# KiCad board LivSynth_Hardware.kicad_pcb (continued)
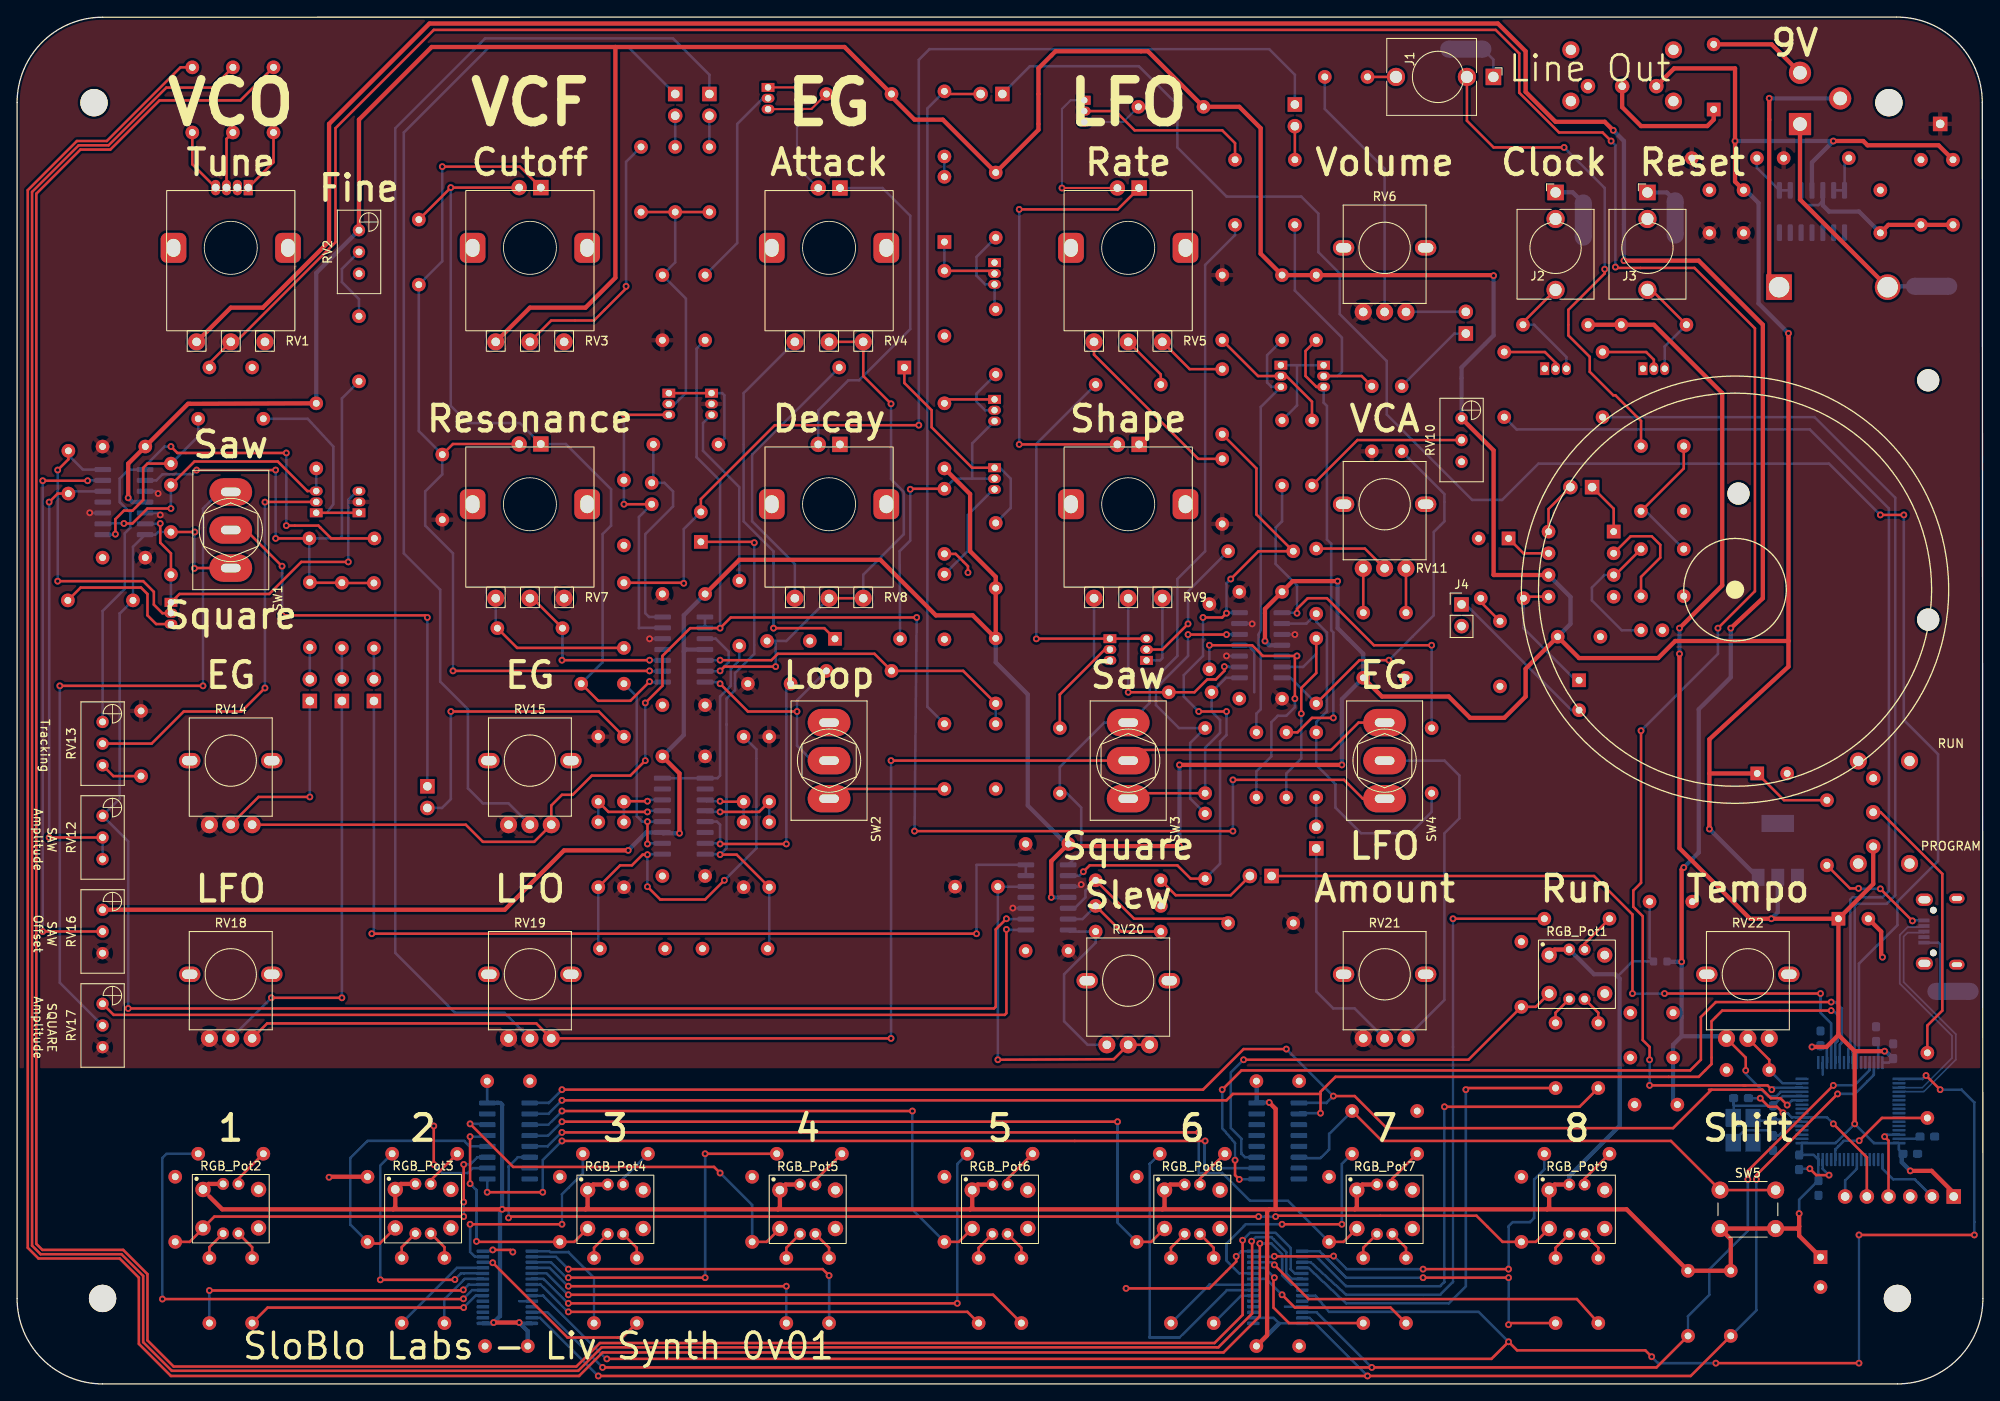
[diagram p0: board, top side]
## Routing (per net, layer and track width the routed paths; a pad name or vN(x,y) marks a point on that pad's centre or on a via; arc(x,y) is an arc through that point) (continued)
/IO/P2_R: length 8.3
  Bottom w0.3: R125.2 50,9.93 52.35,12.28 U12.9
/IO/P3_B: length 13.9
  Bottom w0.3: 60.22,15.53 62.27,15.53 62.37,15.43 64.5,15.43 67.5,12.43 R124.1
/IO/P3_G: length 25
  Top w0.3: v1(63.75,18.68) v1(53,18.68)
  Bottom w0.3: v1(53,18.68) 53,15.46 53.58,14.88 U12.13 ; v1(63.75,18.68) 63.75,22.18 66.19,24.62 R106.2
/IO/P3_R: length 22.3
  Top w0.3: R123.2 70.81,5.43 64.4,5.43 v1(55.65,14.18)
  Bottom w0.3: v1(55.65,14.18) 54.55,14.18 U12.12
/IO/P4_B: length 35
  Top w0.3: v1(64.5,11.43) v1(90,11.43)
  Bottom w0.3: 60.22,13.58 62.29,13.58 64.44,11.43 v1(64.5,11.43) ; v1(90,11.43) R122.1
/IO/P4_G: length 43.9
  Top w0.3: v1(80.5,12.43) v1(64.5,12.43) ; R102.2 v1(80.5,26.93)
  Bottom w0.3: v1(64.5,12.43) 64.25,12.43 62.45,14.23 60.22,14.23 ; v1(80.5,26.93) v1(80.5,12.43)
/IO/P4_R: length 41.2
  Top w0.3: v1(64.5,13.43) 94.25,13.43 v1(95,12.68)
  Bottom w0.3: v1(64.5,13.43) 63.05,14.88 60.22,14.88 ; R120.2 v1(95,12.68)
/IO/P5_B: length 54.1
  Top w0.3: R121.1 111.19,8.43 v1(64.5,8.43)
  Bottom w0.3: 60.22,11.63 61.24,11.63 64.44,8.43 v1(64.5,8.43)
/IO/P5_G: length 68.9
  Top w0.3: v1(64.5,9.43) v1(110,9.43)
  Bottom w0.3: v1(64.5,9.43) 64.44,9.43 61.59,12.28 60.22,12.28 ; v1(110,9.43) 110,25.74 R101.2
/IO/P5_R: length 59.7
  Top w0.3: v1(64.5,10.43) 114.19,10.43 R119.2
  Bottom w0.3: 60.22,12.93 61.94,12.93 64.44,10.43 v1(64.5,10.43)
/IO/P6_B: length 11.5
  Bottom w0.3: R118.1 139.51,11.63 U11.8
/IO/P6_G: length 36.4
  Bottom w0.3: R96.2 132.5,25.74 132.5,5.43 136,5.43 141.55,10.98 U11.7
/IO/P6_R: length 6
  Bottom w0.3: U11.6 143.21,10.33 R116.2
/IO/P7_B: length 17.7
  Top w0.3: v1(147.1,12.43) 147,12.33 147,8.93 148.81,7.12 R115.1
  Bottom w0.3: U11.11 145.95,13.58 v1(147.1,12.43)
/IO/P7_G: length 28.9
  Top w0.3: v1(155,18.68) v1(148,18.68)
  Bottom w0.3: v1(155,18.68) 155,25.74 R99.2 ; U11.10 143,12.93 141.5,14.43 141.5,16.43 143.75,18.68 v1(148,18.68)
/IO/P7_R: length 20
  Top w0.3: R117.2 160.69,8.93 149.5,8.93 v1(148,10.43)
  Bottom w0.3: v1(148,10.43) 146.15,12.28 U11.9
/IO/P8_B: length 36.6
  Top w0.3: v1(174.5,12.43) v1(164.5,12.43) ; R113.1 174.5,7.12 v1(174.5,6.93)
  Bottom w0.3: U11.15 152.4,15.53 155.5,12.43 v1(164.5,12.43) ; v1(174.5,6.93) v1(174.5,12.43)
/IO/P8_G: length 46.9
  Top w0.3: v1(164.5,13.43) v1(174.5,13.43) ; v1(154.03,14.96) 154,14.93 v1(147.1,14.93)
  Bottom w0.3: R95.2 178.69,25.12 177.5,23.93 177.5,19.43 177,18.93 175,18.93 174.5,18.43 v1(174.5,13.43) ; v1(164.5,13.43) 155.56,13.43 v1(154.03,14.96) ; v1(147.1,14.93) 147.05,14.88 U11.13
/IO/P8_R: length 43.4
  Top w0.3: R114.2 182.5,9.93 151.1,9.93 v1(147.1,13.93)
  Bottom w0.3: U11.12 146.8,14.23 v1(147.1,13.93)
/IO/P9_B: length 55.2
  Top w0.3: v1(169.5,34.43) 169.69,34.62 R80.1
  Bottom w0.3: U11.18 151.09,13.58 155.5,9.43 167.5,9.43 169.5,11.43 v1(169.5,34.43)
/IO/P9_G: length 72.9
  Top w0.3: v1(168,54.43) R79.2
  Bottom w0.3: U11.17 151.35,14.23 155.5,10.43 166.5,10.43 168,11.93 v1(168,54.43)
/IO/P9_R: length 57.7
  Top w0.3: v1(167,32.43) 182.81,32.43 R81.2
  Bottom w0.3: v1(167,32.43) 167,11.93 166.5,11.43 155.5,11.43 152.05,14.88 U11.16
/IO/RESET_OUT: length 108.4
  Bottom w0.3: R14.1 210.31,113.12 219.75,103.68 219.75,57.18 218.75,56.18 215.25,56.18 215,55.93 215,39.14 214.75,38.89 U9.25
/IO/SR_SHLDN: length 162.8
  Top w0.3: v1(154,33.68) 156.5,33.68 160.25,29.93 193.75,29.93 198.25,34.43 ; 197.95,34.43 204.2,34.43 205.2,33.43 206.3,33.43 v1(207.1,32.63) ; v1(63.75,34.43) 138.75,34.43 143.5,39.18 v1(148.5,39.18)
  Bottom w0.3: v1(63.75,34.43) 62.19,32.87 U13.1 ; U10.1 153.19,32.87 v1(154,33.68) v1(148.5,39.18) ; v1(207.1,32.63) 207.65,33.18 U9.11
/IO/SR_SPI_CLK: length 171.8
  Top w0.3: 152.5,33.93 142.25,33.93 141.5,33.18 v1(63.75,33.18) ; 152.5,33.93 v1(152.5,31.68) ; 152.5,33.93 152.5,34.18 154.25,35.93 196.75,35.93 198.25,37.43 198.25,42.43 199.5,43.68 v1(212.25,43.68)
  Bottom w0.3: U13.2 62.18,31.6 v1(63.75,33.18) ; v1(212.25,43.68) 212.5,43.68 213,43.18 213,40.13 212.75,39.89 U9.21 ; U10.2 150.05,31.68 v1(152.5,31.68)
/IO/SR_SPI_MISO: length 99.7
  Top w0.3: v1(143,23.93) 142.5,24.43 v1(142.5,26.18) ; v1(141,34.43) 143.25,36.68 195.75,36.68 197,37.93 197,42.93 198.75,44.68 v1(212.25,44.68)
  Bottom w0.3: v1(141,34.43) 141,29.93 142.5,28.18 v1(142.5,26.18) ; U9.22 213.25,39.68 213.5,39.93 213.5,43.93 212.75,44.68 v1(212.25,44.68) ; v1(143,23.93) 144.97,23.93 U10.9
/IO/VCA_IN: length 10.1
  Bottom w0.3: J10.1 168.16,122.9 R35.2
/LFO/LFO_SQA_OUT: length 87.3
  Bottom w0.3: R4.2 142.5,134.43 139,130.93 139,97.43 135.75,94.18 135.75,85.18 132.5,81.93 132.5,79.68 130.2,77.38 SW3.1 127.2,77.38 122,72.18 R68.2 122.81,69.12 124.5,67.43 124.5,62.26 U8.1
/LFO/LFO_TRI_OUT: length 26.2
  Top w0.3: SW3.3 130.64,69.12 R61.1
  Bottom w0.3: R61.1 139,74.43 140.75,76.18 140.75,77.68 139.75,78.68 C23.2 141.44,82.62 U3.8
/MCU/BOOT0: length 13.5
  Top w0.3: v1(215.53,28.46) 218.19,31.12 R93.2
  Bottom w0.3: U9.60 212.75,27.47 213.74,28.46 v1(215.53,28.46)
/MCU/DAC_OUT1: length 83.9
  Top w0.3: v1(192.75,45.68) v1(211,45.68) ; J17.1 184.5,59.43 189,54.93 v1(189,45.68)
  Bottom w0.3: v1(211,45.68) 211,43.43 212.25,42.18 U9.20 ; v1(192.75,45.68) v1(189,45.68)
/MCU/HSE_IN: length 9.4
  Bottom w0.3: Y1.1 200.8,28.38 202.1,29.68 204.81,29.68 C50.1 206.06,29.04 207.2,30.18 U9.5
/MCU/HSE_OUT: length 6
  Bottom w0.3: Y1.3 203.41,30.82 C48.1 205.56,30.93 206.95,30.93 207.2,30.68 U9.6
/MCU/NRST: length 21.3
  Top w0.3: J19.5 216.42,26.51 v1(212.5,30.43) ; v1(203.95,33.43) 204.95,32.43 205.9,32.43 v1(206.6,31.73)
  Bottom w0.3: v1(206.6,31.73) 207.2,31.63 207.65,31.18 U9.7 211.75,31.18 v1(212.5,30.43) ; v1(203.95,33.43) C45.1
/MCU/SW_BOOT0: length 32.7
  Top w0.3: SW7.2 218.04,66.89 225.25,59.68 225.25,43.68 223.5,41.93 R93.1
/MCU/SWD_CLK: length 8.2
  Bottom w0.3: J19.2 222.04,23.93 219.5,23.93 218.25,25.18 U9.49
/MCU/SWD_IO: length 9
  Top w0.3: v1(218.5,28.93) 218.96,28.47 J19.4
  Bottom w0.3: v1(218.5,28.93) 218.75,29.18 U9.46
/MCU/SWD_SWO: length 4.9
  Bottom w0.3: J19.6 213.88,23.81 215.25,25.18 U9.55
/MCU/USB_D+: length 27.8
  Bottom w0.2: U9.36 220.2,34.2 223.09,34.2 226.83,37.94 226.83,40.92 220.73,47.02 220.73,52.34 221.19,52.8 223.1,52.8 J16.3
/MCU/USB_D-: length 27.8
  Bottom w0.2: U9.35 220.2,34.65 222.91,34.65 226.38,38.13 226.38,40.73 220.27,46.84 220.27,52.52 221.21,53.45 222.98,53.45 J16.2
/MCU/VCAP_1: length 2.6
  Bottom w0.3: C32.1 217.75,39.82 U9.31
/MCU/VCAP_2: length 2.6
  Bottom w0.3: C43.1 222.39,28.68 U9.47
/ModMatrix/VCA_CV_OUT: length 27
  Bottom w0.3: RV21.2 156.5,43.93 154,43.93 152,45.93 J18.1
/ModMatrix/VCF_EG_OUT: length 127
  Bottom w0.3: J8.1 71.5,156.43 55.25,156.43 45.25,146.43 45.25,97.18 49.5,92.93 49.5,82.18 52.75,78.93 52.75,69.68 54.5,67.93 57.5,67.93 RV15.2
/ModMatrix/VCF_LFO_OUT: length 161.5
  Bottom w0.3: J9.1 81,153.18 76.75,157.43 54.75,157.43 44.25,146.93 44.25,50.43 51.25,43.43 57,43.43 RV19.2
/ModMatrix/VCO_EG_OUT: length 21.8
  Top w0.3: RV14.2 28.25,68.68 v1(34.25,68.68)
  Bottom w0.3: v1(34.25,68.68) J15.1
/ModMatrix/VCO_LFO_OUT: length 49.7
  Top w0.3: v1(29.75,45.18) v1(38,45.18)
  Bottom w0.3: v1(38,45.18) 38,79.93 ; RV18.2 v1(29.75,45.18)
/Power/BAT_N: length 26.5
  Top w0.5: J5.1 208.6,138.58 BT1.2
  Bottom w0.5: NT2.2 218.95,128.43 BT1.2
/Power/BAT_P: length 31
  Top w0.5: v1(205,150.43) 205,129.48 BT1.1
  Bottom w0.5: 213.4,150.41 205.01,150.41 v1(205,150.43)
/Slew/V/OCT_OUT: length 113.1
  Top w0.3: v1(112.25,52.68) v1(41.5,52.68)
  Bottom w0.3: J12.1 41.75,52.93 v1(41.5,52.68) ; 112.25,60.74 U8.14 U8.13 ; v1(112.25,52.68) 112.25,60.68
/VCA/VCA_IN: length 138.8
  Top w0.3: v1(78,93.68) 77.94,93.74 R47.1 ; v1(105.5,112.18) 88.65,112.18 80,103.53 C11.2
  Bottom w0.3: v1(105.5,112.18) 105.5,154.93 106.75,156.18 146.5,156.18 149.5,153.18 J6.1 ; v1(78,93.68) 78,100.03 C11.2
/VCF/VCF_IN: length 50.4
  Top w0.3: v1(31,95.68) 26.77,99.91 SW1.2 ; v1(48,89.68) 47.75,89.93 v1(31,89.93)
  Bottom w0.3: v1(48,89.68) J14.1 ; v1(31,95.68) v1(31,89.93)
/VCO/SAW_OUT: length 187.9
  Top w0.3: v1(20.78,99.68) C14.2 ; v1(115.75,54.43) 114.5,53.18 114.5,44.13 114.3,43.93 v1(13,43.93) ; SW1.1 20.78,95.46 v1(20.75,95.43)
  Bottom w0.3: v1(13,43.93) 13,63.48 RV12.1 12,68.48 12,90.18 12.06,90.18 R54.2 13.56,97.95 U4.7 16.19,99.37 16.5,99.68 C14.2 ; U8.9 115.79,54.39 v1(115.75,54.43) ; v1(20.78,99.68) 20.75,99.64 v1(20.75,95.43)
/VCO/SQUARE_OUT: length 83.4
  Top w0.3: v1(21.75,81.68) v1(5,81.68)
  Bottom w0.3: v1(21.75,81.68) 21.75,102.43 23.69,104.36 SW1.3 ; RV17.2 5,46.94 v1(5,81.68)
VGND: length 14.3
  Bottom w0.3: U4.5 16.52,101.91 v1(16.75,101.68) ; U3.10 141.52,85.16 v1(141.5,85.18) ; v1(149.5,87.68) 149.48,87.7 U3.3 ; U6.12 74.02,87.2 v1(74,87.18) ; v1(116.5,55.68) 116.52,55.66 U8.10 ; v1(8.5,101.93) 8.52,101.91 U4.10 ; U4.3 16.23,104.45 v1(16.5,104.18) ; v1(124.5,58.43) 124.27,58.2 U8.3 ; v1(144.5,88.93) 144.46,88.97 U3.13
Net-(C13-Pad1): length 24.1
  Top w0.5: R12.2 R11.1 218.94,135.62 C1.1
  Bottom w0.3: U1.3 208.73,138.45 209.25,137.93 210.75,137.93 211.27,138.45 U1.5
  Bottom w0.5: U1.5 211.27,137.91 212,137.18 215.5,137.18 C1.1
Net-(C31-Pad1): length 42
  Top w0.3: v1(114.75,37.93) 128.32,38 RV20.2 RV20.3
  Bottom w0.3: U8.12 118,58.18 C40.1 v1(114.75,37.93)
Net-(C32-Pad1): length 68.8
  Top w0.3: v1(102.25,114.68) 99,117.93 RV4.3 RV4.2 ; v1(82.25,83.43) 82.75,83.93 v1(88.75,83.93) ; RV8.3 RV8.2
  Bottom w0.3: 88.75,86.93 90,86.93 RV8.2 ; 88.75,86.93 C26.1 ; 88.75,86.93 v1(88.75,83.93) ; RV8.3 99,94.68 103.75,99.43 103.75,104.37 102.25,105.87 v1(102.25,114.68) ; U6.3 81.73,87.2 83.25,85.68 83.25,84.43 v1(82.25,83.43) 82.21,83.39 U6.6
Net-(C33-Pad1): length 25.6
  Top w0.3: v1(141.25,83.93) 141.25,83.43 140.25,82.43 139.25,82.43 137.75,80.93 v1(130,80.93)
  Bottom w0.3: v1(130,80.93) RV9.2 ; v1(141.25,83.93) 141.75,83.93 141.79,83.89 U3.9
Net-(C34-Pad1): length 54.8
  Top w0.3: v1(3.75,103.18) 4.75,104.18 C17.1 ; RV12.2 3.76,63.94 v1(3.75,63.93)
  Bottom w0.3: C17.1 6.25,104.43 10,104.43 U4.12 ; RV12.3 RV12.2 ; v1(3.75,103.18) v1(3.75,63.93)
Net-(C34-Pad2): length 36.7
  Top w0.3: v1(4.75,93.93) 14.75,93.93 16,92.68 16,91.18 17,90.18 Q14.2 ; v1(4.75,106.93) 6,108.18 C17.2
  Bottom w0.3: C17.2 6,108.68 7.69,106.99 U4.14 ; v1(4.75,93.93) v1(4.75,106.93)
Net-(C35-Pad1): length 43.2
  Top w0.3: C14.1 18,97.18 16.75,98.43 v1(16.75,100.68) ; Q14.1 18.02,91.45 19,92.43 29.5,92.43 33.25,96.18 v1(38.75,96.18)
  Bottom w0.3: C14.1 Q14.1 ; v1(16.75,100.68) 16.71,100.64 U4.6 ; v1(38.75,96.18) 38.75,103.44 39.78,104.47 Q12.3
Net-(C36-Pad1): length 33.7
  Top w0.3: Q13.3 33.96,104.47 30.5,107.93 20.75,107.93 C16.1 ; v1(12.5,100.68) 13.5,100.68 15.25,102.43 v1(18,102.43)
  Bottom w0.3: v1(12.5,100.68) 10.06,100.68 U4.9 ; C16.1 v1(18,102.43) ; R53.2 Q13.3
Net-(C36-Pad2): length 21.2
  Top w0.3: C16.2 15.25,107.68 14.75,107.18 14.75,103.43 13.5,102.18 12.5,102.18 11.5,101.18 v1(11.5,99.43)
  Bottom w0.3: v1(11.5,99.43) 11.44,99.37 U4.8 ; R32.2 21.19,110.87 C16.2
Net-(C38-Pad1): length 36.9
  Top w0.3: v1(71,113.43) 71.04,113.39 Q10.3 ; C13.1 v1(71,102.93)
  Bottom w0.3: v1(71,102.93) R49.2 v1(71,113.43) ; U6.13 72.79,88.47 72.75,88.43 72.75,101.43 C13.1
Net-(C38-Pad2): length 25.3
  Bottom w0.3: R48.2 74.44,105.62 C13.2 75.75,105.43 76.75,104.43 76.75,102.68 73.5,99.43 73.5,90.18 73.94,89.74 U6.14
Net-(C39-Pad1): length 60.8
  Top w0.3: R87.2 84.19,61.93 v1(82.25,61.93) ; v1(86.25,98.43) 86.15,98.53 C11.1
  Bottom w0.3: U7.8 82.19,61.98 v1(82.25,61.93) 83,62.68 83,80.18 84,81.18 84,83.18 86.25,85.43 v1(86.25,98.43) ; R87.2 88,51.12 R92.2
Net-(C40-Pad1): length 23.8
  Top w0.3: v1(73.75,65.79) v1(73.75,63.18)
  Bottom w0.3: U7.12 v1(73.75,65.79) 73.13,65.79 72.5,66.43 72.5,80.43 C30.1 ; U7.10 73.82,63.25 v1(73.75,63.18)
Net-(C40-Pad2): length 97.1
  Top w0.3: R30.1 v1(50.74,139.98) D4.2 ; C30.2 68,79.93 71.75,79.93 v1(74,82.18)
  Bottom w0.3: v1(50.74,139.98) 50.74,114.44 52.75,112.43 58.82,112.43 D10.1 64.2,109.98 69.5,104.68 69.5,100.43 68.5,99.43 68.5,84.43 C30.2 ; U6.8 74.06,82.12 v1(74,82.18)
Net-(C41-Pad1): length 32.6
  Top w0.3: v1(82.25,63.18) v1(90,63.18)
  Bottom w0.3: U7.7 81.93,63.25 v1(82.25,63.18) 82.25,65.43 81.88,65.79 U7.5 ; v1(90,63.18) 90,81.43 C27.1
Net-(C46-Pad1): length 30.4
  Bottom w0.3: C2.1 153,149.18 160,142.18 RV6.2
Net-(C46-Pad2): length 3.3
  Top w0.3: C2.2 J1.3
Net-(C48-Pad1): length 5.4
  Top w0.3: C8.1 176.24,97.19 U2.7
Net-(C49-Pad1): length 16.5
  Top w0.3: R33.2 195,107.12 R34.1
  Bottom w0.3: R33.2 190.56,102.12 C7.1
Net-(C49-Pad2): length 16.1
  Top w0.3: C7.2 186.97,94.65
  Bottom w0.3: U2.3 185.72,94.65 184.25,93.18 184.25,91.68 187.75,88.18 C19.2
Net-(C50-Pad1): length 15.1
  Top w0.3: C9.1 176.43,92.11 U2.5
  Bottom w0.3: C9.1 176.25,88.43 182.35,82.33
Net-(C50-Pad2): length 18.9
  Bottom w0.3: C22.2 181.87,78.83 169.5,91.2 J4.1
Net-(C51-Pad2): length 3.6
  Top w0.3: R59.1 171.25,91.49 C9.2
Net-(C53-Pad2): length 13.6
  Top w0.3: U2.2 188.79,99.18 191.25,99.18 192.25,98.18 192.25,96.68 190,94.43 C6.2
Net-(D1-Pad1): length 15.6
  Top w0.5: SW6.2 187.79,149.39 190,147.18 197.75,147.18 198.5,147.93 D1.1
Net-(D1-Pad2): length 11.5
  Top w0.5: D1.2 205.27,156.74 J5.2
Net-(D3-Pad1): length 25.3
  Top w0.3: Q11.1 111.73,107.2 107,111.93 107,113.93 103.81,117.12 D8.1
  Bottom w0.3: 115,107.18 116.25,105.93 116.25,102.49 R42.2
Net-(D3-Pad2): length 33.3
  Bottom w0.3: D8.2 86,108.74 86,100.93 91,95.93 RV8.1
Net-(D4-Pad1): length 9.4
  Top w0.3: Q7.2 114.05,130.24 R24.1
  Bottom w0.3: D7.1 R24.1
Net-(D4-Pad2): length 2.4
  Bottom w0.3: R7.2 D7.2
Net-(D5-Pad1): length 45.1
  Top w0.3: v1(88.5,88.43) 94.44,88.43 D11.1
  Bottom w0.3: v1(88.5,88.43) 88.5,97.43 85,100.93 85,115.93 RV4.1
Net-(D5-Pad2): length 36.2
  Top w0.3: R46.1 104.56,104.74 v1(104.5,104.68)
  Bottom w0.3: Q11.2 111.75,105.93 ; 111.75,105.93 111.75,110.05 Q8.3 ; 111.75,105.93 109.69,105.93 R46.1 ; v1(104.5,104.68) 104.5,98.68 103.25,97.43 D11.2
Net-(D6-Pad1): length 53.5
  Top w0.3: v1(117.25,109.93) D6.2 ; v1(117.25,137.43) 128.78,137.43 130.92,139.58
  Bottom w0.3: v1(117.25,109.93) v1(117.25,137.43)
Net-(D6-Pad2): length 18.8
  Top w0.25: D2.2 v1(122.25,139.93)
  Bottom w0.25: Q1.1 123.27,150.2 122.25,149.18 v1(122.25,139.93)
Net-(D7-Pad1): length 110
  Top w0.3: R52.1 50.99,109.98 D10.2 ; v1(74,83.43) v1(51,83.43) ; D4.1 58.82,142.43 v1(49.75,142.43)
  Bottom w0.3: v1(74,83.43) 74.04,83.39 U6.9 ; v1(51,83.43) 51,97.18 47.75,100.43 47.75,104.43 49.75,106.43 R52.1 47,111.49 R30.2 49.75,131.37 v1(49.75,142.43)
Net-(D10-Pad1): length 41.5
  Bottom w0.3: D3.1 101.25,139.93 104.5,136.68 104.5,123.43 98.5,117.43 97.25,117.43 93.74,113.91 D9.2
Net-(D10-Pad2): length 16.2
  Top w0.25: v1(91.25,151.68) 91.23,151.7 Q2.1
  Bottom w0.25: v1(91.25,151.68) 91.25,142.41 D3.2
Net-(D11-Pad1): length 7.7
  Top w0.3: D5.1 30,142.94 R10.1
Net-(D11-Pad3): length 6.8
  Top w0.3: D5.3 24.5,145.68 R8.1
Net-(D11-Pad4): length 7.6
  Top w0.3: R9.1 20.5,142.71 D5.4
Net-(J3-Pad5): length 7.7
  Bottom w0.3: J16.5 224.8,51.63 225,51.43 225,46.43 NT5.2
Net-(J4-Pad2): length 12.1
  Top w0.3: R83.1 135.56,57.18 141.99,57.18 J17.2
Net-(J5-Pad2): length 80
  Top w0.3: R7.1 108.81,150.93 J7.2
  Bottom w0.3: R7.1 106.5,149.24 106.5,79.24 R72.1
Net-(J6-Pad2): length 3.6
  Bottom w0.3: 41.75,86 41.75,82.35
Net-(J7-Pad2): length 3.7
  Bottom w0.3: R50.1 38,82.47
Net-(J8-Pad2): length 3.7
  Bottom w0.3: R55.1 J15.2
Net-(J9-Pad2): length 34.9
  Top w0.3: R77.1 68.06,78.68 v1(50.75,78.68)
  Bottom w0.3: J14.2 49.71,67.39 50.75,68.43 v1(50.75,78.68)
Net-(J10-Pad2): length 3.6
  Bottom w0.3: J9.2 R25.1
Net-(J11-Pad2): length 3.9
  Top w0.3: J6.2 R3.1
Net-(J12-Pad2): length 3.4
  Bottom w0.3: R62.1 J18.2
Net-(J13-Pad2): length 7
  Bottom w0.3: RV6.3 162.51,125.44 J10.2
Net-(J14-Pad1): length 3.8
  Bottom w0.3: NT1.2 172.73,154.95 J1.1
Net-(J14-Pad2): length 60.1
  Top w0.3: R33.1 190,112.68 187,115.68 186.75,115.68 184,118.43 184,120.18 181.5,122.68 181.5,125.68 185.75,129.93 v1(185.75,130.43) ; v1(181,144.68) 172.75,144.68 169.63,147.8 J1.2
  Bottom w0.3: v1(185.75,130.43) 185.75,139.93 v1(181,144.68)
Net-(J17-Pad1): length 6.2
  Top w0.3: J11.1 186.8,102.4 U2.1
Net-(J17-Pad2): length 6.3
  Top w0.3: U2.8 179.18,102.37 181.74,104.93
Net-(J18-Pad1): length 3.8
  Bottom w0.5: NT4.1 182,139.43 180.02,139.43 J2.1
Net-(J18-Pad3): length 13.7
  Top w0.3: J2.3 176.19,124.2 R15.2
  Bottom w0.3: R15.2 177.5,123.93 181.27,120.16 Q4.3
Net-(J19-Pad1): length 3.7
  Bottom w0.5: J3.1 193.02,139.41 NT3.2
Net-(J19-Pad3): length 12.4
  Top w0.3: R13.2 191.23,128.01 J3.3
  Bottom w0.3: R13.2 192.77,121.39 Q3.3
Net-(J20-Pad2): length 3.6
  Bottom w0.3: J8.2 R28.1
Net-(Q1-Pad2): length 24.1
  Bottom w0.3: Q2.2 87.26,150.43 84.25,147.42 84.25,133.49 R27.1
Net-(Q1-Pad3): length 7.6
  Top w0.25: Q2.3 91.98,149.16 92,149.18 92.94,149.18 R6.2
Net-(Q2-Pad1): length 6.1
  Top w0.3: R45.2 108.96,115.2 Q8.1
Net-(Q2-Pad2): length 6.6
  Bottom w0.3: Q8.2 113.25,113.93 112.25,114.93 112.25,115.87 R21.2
Net-(Q3-Pad3): length 12.4
  Bottom w0.3: R43.1 111.25,97.49 111.25,101.68 114.23,104.66 Q11.3
Net-(Q4-Pad3): length 10.9
  Bottom w0.3: R21.1 114.36,125.88 Q7.3 113.27,128.66 112.25,129.68 112.25,131.87 R23.2
Net-(Q5-Pad1): length 45.5
  Top w0.3: v1(119.25,87.18) 119.27,87.2 Q15.1 Q16.3
  Bottom w0.3: v1(119.25,87.18) 119.25,109.99 R22.2
Net-(Q5-Pad2): length 12
  Top w0.3: Q15.2 127.26,85.93 122,80.67 R68.1
Net-(Q5-Pad3): length 9.1
  Bottom w0.3: RV9.1 126,84.68 126.02,84.66 Q15.3
Net-(Q6-Pad2): length 21.1
  Top w0.3: Q1.2 128.5,148.93 130.75,146.68 141,146.68 142.5,145.18 R4.1
Net-(Q6-Pad3): length 7.1
  Bottom w0.25: R5.2 129.44,147.68 128.5,147.68 128.48,147.66 Q1.3
Net-(Q7-Pad1): length 9
  Bottom w0.3: Q16.1 133.73,84.66 134,84.93 RV9.3
Net-(Q7-Pad2): length 16.5
  Top w0.3: v1(137,88.93) 134,85.93 Q16.2
  Bottom w0.3: v1(137,88.93) 137,92.74 R41.1
Net-(Q8-Pad3): length 15.9
  Top w0.3: Q14.3 16.27,88.91 15.25,89.93 15.25,92.43 14.5,93.18 7.44,93.18 R54.1
Net-(Q9-Pad2): length 49.5
  Top w0.3: RV13.2 15.74,74.92 19.5,78.68 26.25,78.68 v1(29,81.43) ; v1(29,103.18) 29.25,103.18 29.27,103.2 Q13.2
  Bottom w0.3: v1(29,103.18) v1(29,81.43)
Net-(Q10-Pad1): length 23.9
  Top w0.3: Q12.1 Q13.1
  Bottom w0.3: Q13.1 36.25,101.93 37,102.93 37,109.68 34,112.93 R32.1
Net-(Q11-Pad1): length 12.6
  Top w0.3: Q9.1 Q10.1
  Bottom w0.3: R48.1 82.75,110.62 82.75,115.68 82.5,115.93 Q9.1
Net-(Q11-Pad2): length 33.5
  Top w0.3: R25.2 R28.2 R26.2
  Bottom w0.3: Q10.2 76.96,114.66 78.25,115.95 78.25,126.99 R29.1 77,131.24 R28.2
Net-(Q12-Pad3): length 21.6
  Bottom w0.3: R44.2 84.5,104.93 80.25,109.18 80.25,112.43 81.21,113.39 Q9.3
Net-(Q13-Pad1): length 12.2
  Bottom w0.3: R37.1 149.75,114.49 149.75,119.18 149.77,119.2 ; 149.77,119.2 Q6.1 ; 149.77,119.2 Q5.1
Net-(Q13-Pad2): length 27.9
  Top w0.3: R38.1 157.31,117.93 Q5.2
  Bottom w0.3: R3.2 149.5,127.93 155,122.43 155,118.43 154.5,117.93 Q5.2
Net-(Q13-Pad3): length 52.7
  Top w0.3: R67.1 149.81,76.24 151.5,77.93 v1(154,77.93) ; Q5.3 152.02,116.66 150.75,117.93 150.75,120.87 R20.2
  Bottom w0.3: Q5.3 152.86,114.82 153.25,114.43 153.25,98.81 153.75,98.31 153.75,88.18 154,87.93 v1(154,77.93)
Net-(Q14-Pad2): length 15.7
  Top w0.3: R18.1 145.19,117.93 Q6.2 148.5,117.93 151.5,114.93 R36.1
Net-(Q14-Pad3): length 49.2
  Bottom w0.3: R65.1 145,78.43 145.5,78.93 145.5,85.43 145.25,85.93 145.25,87.68 145.5,88.18 145.5,114.3 Q6.3 146.77,116.66 146.25,117.18 146.25,120.37 R17.2
Net-(Q15-Pad2): length 7.2
  Top w0.3: Q4.2 180,119.49 178.75,120.74 R16.2
Net-(Q16-Pad2): length 7.4
  Top w0.3: Q3.2 191.5,119.84 190.6,120.74 R14.2
Net-(R2-Pad1): length 6.1
  Bottom w0.3: U1.2 U1.1 203.56,142.28 R2.1
Net-(R4-Pad1): length 5.3
  Bottom w0.3: U1.6 U1.7 213.81,142.99 214.25,143.43 R1.1
Net-(R6-Pad1): length 12.7
  Top w0.3: R84.2 129.19,52.93 R86.1
  Bottom w0.3: U8.6 124.65,54.39 R84.2
Net-(R6-Pad2): length 21.5
  Bottom w0.3: U8.7 123.16,52.93 R86.2 126.19,51.62 122.5,47.93 122.5,42.43 125.25,39.68 RV20.1
Net-(R8-Pad2): length 22.6
  Top w0.3: R83.2 130.69,54.43 141.19,54.43 R85.2
  Bottom w0.3: U8.5 123.73,55.66 125,56.93 125,57.74 R83.2
Net-(R16-Pad2): length 39.1
  Top w0.3: R69.2 110.69,83.43 R73.1 100.31,85.43 89,85.43 88.25,84.68 v1(82.25,84.68)
  Bottom w0.3: U6.5 82.23,84.66 v1(82.25,84.68) ; R69.2 R70.1
Net-(R18-Pad2): length 26.8
  Top w0.3: v1(82.25,81.93) 85.5,78.68 v1(91.25,78.68)
  Bottom w0.3: SW2.2 93,72.93 91.25,74.68 v1(91.25,78.68) 91.25,79.99 R73.2 ; U6.7 82.06,82.12 v1(82.25,81.93)
Net-(R22-Pad2): length 14
  Top w0.3: SW2.1 96.14,69.62 R72.2
Net-(R26-Pad1): length 34.2
  Top w0.3: v1(141.5,87.68) v1(137,87.68)
  Bottom w0.3: R64.1 137.25,68.49 137.25,74.99 R61.2 135.94,76.74 133.25,79.43 133.25,81.43 137,85.18 v1(137,87.68) ; U3.12 141.52,87.7 v1(141.5,87.68)
Net-(R26-Pad2): length 88.2
  Top w0.3: R64.2 137.31,59.12 135.75,60.68 125.5,60.68 v1(124.75,59.93) ; v1(142,94.18) 145.25,97.43 R41.2 145,101.74 145,107.12 R19.1 ; v1(138.25,78.68) v1(141.5,78.68) ; v1(141.5,90.18) 141,89.68 v1(138.75,89.68)
  Bottom w0.3: U3.14 141.56,90.24 v1(141.5,90.18) 141.5,93.68 v1(142,94.18) ; v1(138.75,89.68) 138.75,85.18 136.5,82.93 136.5,80.43 v1(138.25,78.68) ; v1(124.75,59.93) 124.29,59.47 U8.2 ; v1(141.5,78.68) 141.5,75.93 140.75,75.18 140.75,60.87 R64.2
Net-(R30-Pad2): length 8.3
  Top w0.3: RV5.3 137.19,118.74 R19.2
Net-(R31-Pad1): length 6.6
  Top w0.3: RV5.2 133.81,118.12 R22.1
Net-(R32-Pad1): length 21.5
  Top w0.3: R40.1 138.19,108.24 126,120.43 RV5.1
Net-(R33-Pad2): length 63.4
  Top w0.3: R51.2 38.03,93.71 R50.2 34.56,93.74 34.5,93.8 ; TH1.1 v1(30.25,98.93) ; v1(30.25,106.93) v1(21,106.93)
  Bottom w0.3: v1(21,106.93) 20.5,106.43 17,106.43 16.29,105.72 U4.2 ; v1(30.25,98.93) v1(30.25,106.93) ; R31.2 38,115.31 38,99.18 37.75,98.93 TH1.1 34.19,94.55 35,93.74
Net-(R38-Pad1): length 9.2
  Bottom w0.3: R31.1 40,126.93 38,128.93 38,130.45 RV2.2
Net-(R40-Pad1): length 5
  Top w0.3: RV13.3 11.26,71.12 R78.1
Net-(R43-Pad1): length 10.4
  Top w0.3: R76.1 69.19,66.93 v1(73.75,66.93)
  Bottom w0.3: R76.1 R89.1 ; v1(73.75,66.93) 73.88,67.06 U7.13
Net-(R44-Pad2): length 49.7
  Top w0.3: v1(73.75,61.93) 73.18,61.93 71.93,60.68 70.56,60.68 R89.2 ; v1(82.75,58.93) 80.5,56.68 75.25,56.68 v1(73.75,58.18)
  Bottom w0.3: R89.2 68,51.12 R90.2 ; v1(82.75,58.93) 86.5,62.68 86.5,74.24 R74.1 ; U7.9 73.81,61.98 v1(73.75,61.93) v1(73.75,58.18)
Net-(R45-Pad1): length 10.4
  Top w0.3: R71.1 86.81,66.93 v1(82.25,66.93)
  Bottom w0.3: R71.1 R87.1 ; U7.4 80.63,66.93 v1(82.25,66.93)
Net-(R49-Pad2): length 7
  Top w0.3: R77.2 71.06,68.18 v1(73.75,68.18)
  Bottom w0.3: R77.2 R88.2 ; v1(73.75,68.18) 73.91,68.33 U7.14
Net-(R50-Pad2): length 7
  Top w0.3: v1(82.25,68.18) 82.31,68.12 R74.2
  Bottom w0.3: U7.3 80.66,68.18 v1(82.25,68.18) ; R74.2 R91.2
Net-(R55-Pad1): length 31.1
  Top w0.3: RV3.2 62.5,124.43 67.5,124.43 71.25,128.18 v1(71.25,128.43)
  Bottom w0.3: v1(71.25,128.43) 71.25,142.99 R26.1
Net-(R57-Pad1): length 23
  Bottom w0.3: U7.16 U7.1 81.94,70.87 82.25,71.18 82.25,80.43 83.5,81.68 83.5,83.68 84.5,84.68 R44.1
Net-(R58-Pad2): length 19.3
  Top w0.3: R75.1 58.5,86.12 R47.2
  Bottom w0.3: R75.1 56,88.62 RV7.1
Net-(R61-Pad2): length 20.8
  Top w0.3: R75.2 60.31,91.93 RV7.2 ; v1(74,84.68) v1(63.75,84.68)
  Bottom w0.3: v1(63.75,84.68) 63.81,84.74 R75.2 ; U6.10 74.02,84.66 v1(74,84.68)
Net-(R63-Pad1): length 45.1
  Top w0.3: R66.1 157.06,84.68 v1(160.5,84.68)
  Bottom w0.3: v1(160.5,84.68) 165.75,89.93 165.75,99.68 167,100.93 167,104.12 R35.1 ; R66.1 149,82.62 U3.7
Net-(R63-Pad2): length 26.5
  Top w0.3: R66.2 152,83.18 150.25,81.43 v1(150.25,78.43)
  Bottom w0.3: R66.2 152,85.43 150.46,83.89 U3.6 ; v1(150.25,78.43) 150.25,73.18 148.5,71.43 R67.2
Net-(R68-Pad2): length 34.5
  Top w0.3: v1(149.5,80.18) 149.5,84.93 v1(149.75,85.18) 145.75,85.18 144.5,86.43 v1(139.5,86.43)
  Bottom w0.3: R65.2 145,71.68 146.75,73.43 146.75,77.43 147.5,78.18 148.5,78.18 149.5,79.18 v1(149.5,80.18) ; v1(139.5,86.43) R60.2 ; U3.5 149.73,85.16 v1(149.75,85.18)
Net-(R71-Pad2): length 19.7
  Top w0.3: RV10.2 156.82,110.44 R36.2
Net-(R74-Pad2): length 46.8
  Top w0.3: v1(149.75,90.18) 149.75,90.68 151,91.93 153.25,91.93 158.75,86.43 v1(165.5,86.43)
  Bottom w0.3: v1(165.5,86.43) R58.2 ; U3.1 149.69,90.24 v1(149.75,90.18) 149.75,93.43 147.25,95.93 147.25,100.18 148,100.93 R37.2
Net-(R75-Pad2): length 44.9
  Bottom w0.3: R58.1 165.5,66.93 163,64.43 157.25,64.43 154.25,67.43 154.25,70.18 152,72.43 R62.2 152,77.43 153.25,78.68 153.25,87.93 152,89.18 R39.2 150.85,88.97 U3.2
Net-(R77-Pad2): length 5.2
  Top w0.3: RV11.1 R63.2
Net-(R78-Pad1): length 9
  Top w0.3: RV11.2 157.69,97.74 R39.1
Net-(R79-Pad1): length 5.2
  Top w0.3: RV11.3 R57.1
Net-(R89-Pad2): length 3.5
  Top w0.3: RGB_Pot2.8 22.5,16 R127.2
Net-(R90-Pad2): length 3.5
  Top w0.3: RGB_Pot3.8 45,16 R126.2
Net-(R91-Pad2): length 3.5
  Top w0.3: RGB_Pot4.8 67.5,15.93 R124.2
Net-(R92-Pad2): length 3.5
  Top w0.3: R122.2 90,15.93 RGB_Pot5.8
Net-(R94-Pad1): length 3.5
  Top w0.3: RGB_Pot2.7 27.5,16 R128.1
Net-(R95-Pad1): length 4.7
  Top w0.3: R110.1 25.9,24.02 RGB_Pot2.6
Net-(R96-Pad1): length 3.5
  Top w0.3: RGB_Pot3.7 50,16 R125.1
Net-(R97-Pad1): length 4.8
  Top w0.3: RGB_Pot3.6 48.4,23.83 R107.1
Net-(R98-Pad1): length 3.5
  Top w0.3: RGB_Pot4.7 72.5,15.93 R123.1
Net-(R99-Pad1): length 4.8
  Bottom w0.3: RGB_Pot4.6 70.9,24.02 R106.1
Net-(R100-Pad1): length 3.5
  Top w0.3: R120.1 95,15.93 RGB_Pot5.7
Net-(R101-Pad1): length 4.9
  Top w0.3: RGB_Pot5.6 93.4,23.83 R102.1
Net-(R107-Pad2): length 3.5
  Top w0.3: RGB_Pot9.8 180,15.93 R113.2
Net-(R108-Pad2): length 3.5
  Top w0.3: R80.2 180,43.43 RGB_Pot1.8
Net-(R109-Pad2): length 3.5
  Top w0.3: RGB_Pot6.8 112.5,15.93 R121.2
Net-(R110-Pad2): length 3.5
  Top w0.3: R118.2 135,15.93 RGB_Pot8.8
Net-(R111-Pad2): length 3.5
  Top w0.3: R115.2 157.5,15.93 RGB_Pot7.8
Net-(R112-Pad1): length 3.5
  Top w0.3: R114.1 185,15.93 RGB_Pot9.7
Net-(R113-Pad1): length 4.8
  Top w0.3: R95.1 183.4,24.02 RGB_Pot9.6
Net-(R114-Pad1): length 3.5
  Top w0.3: R81.1 185,43.43 RGB_Pot1.7
Net-(R115-Pad1): length 4.8
  Top w0.3: R79.1 183.4,51.52 RGB_Pot1.6
Net-(R116-Pad1): length 3.5
  Top w0.3: R119.1 117.5,15.93 RGB_Pot6.7
Net-(R117-Pad1): length 4.8
  Top w0.3: RGB_Pot6.6 115.9,24.02 R101.1
Net-(R118-Pad1): length 3.5
  Top w0.3: RGB_Pot8.7 140,15.93 R116.1
Net-(R119-Pad1): length 4.8
  Top w0.3: RGB_Pot8.6 138.4,24.02 R96.1
Net-(R120-Pad1): length 3.5
  Top w0.3: RGB_Pot7.7 162.5,15.93 R117.1
Net-(R121-Pad1): length 4.8
  Top w0.3: R99.1 160.9,24.02 RGB_Pot7.6
Net-(RV6-Pad3): length 42.8
  Bottom w0.3: SW4.2 167,72.93 168.75,71.18 168.75,66.18 167,64.43 167,44.93 RV21.3
Net-(RV8-Pad3): length 168.3
  Top w0.3: SW4.3 156.95,77.38 153.75,74.18 131.25,74.18 SW3.2 v1(102.25,72.93) ; RV18.3 29.25,42.18 60.75,42.18 RV19.3 v1(102.25,40.43)
  Bottom w0.3: v1(102.25,72.93) v1(102.25,40.43)
Net-(RV11-Pad1): length 71.4
  Top w0.3: v1(18,109.68) 18.75,108.93 v1(31.5,108.93) ; TH1.2 36.75,98.93 35.25,100.43 v1(31.5,100.43)
  Bottom w0.3: v1(31.5,100.43) v1(31.5,108.93) ; RV13.1 10,90.44 12.59,93.03 12.59,99.52 13.25,100.18 13.25,101.93 12,103.18 12,105.93 13.06,106.99 U4.1 14.97,107.4 17.25,109.68 v1(18,109.68)
Net-(RV13-Pad2): length 66.8
  Top w0.3: RV16.2 3.01,52.94 v1(3,52.93) ; v1(8.25,105.68) v1(3,105.68)
  Bottom w0.3: v1(3,52.93) v1(3,105.68) ; v1(8.25,105.68) 8.29,105.72 U4.13
Net-(RV14-Pad1): length 118.5
  Top w0.3: v1(115.75,53.18) 115.75,43.38 115.55,43.18 11.3,43.18 RV17.1
  Bottom w0.3: U8.8 115.81,53.12 v1(115.75,53.18)
Net-(U18-Pad9): length 99.6
  Top w0.3: v1(139,28.43) v1(63.75,28.43) ; v1(55,22.43) v1(61.5,22.43)
  Bottom w0.3: U13.9 55.03,22.45 v1(55,22.43) ; U10.10 138.93,25.25 138.93,28.1 139,28.18 v1(139,28.43) ; v1(61.5,22.43) 61.5,26.18 v1(63.75,28.43)

## Copper pours and planes (outline as drawn; the poured copper is in the pictures)
GND on Bottom: 230,-0.07 0,-0.07 0,159.93 230,159.93
VGND on Top: 230,36.93 0,36.93 0,159.93 230,159.93

## Text on the board
F.Silkscreen: RUN | PROGRAM | Tracking | SAW / Amplitude | SAW / Offset | SQUARE / Amplitude | Line Out | SloBlo Labs - Liv Synth 0v01 | Tune | Saw | Square | EG | LFO | 1 | Fine | 2 | Cutoff | Resonance | 3 | 4 | Attack | Decay | Loop | 5 | Rate | Shape | Slew | 6 | Volume | VCA | Amount | 7 | Clock | Run | 8 | Reset | Tempo | Shift | 9V | VCO | VCF
